# Altium PCB CHAHARDOLI-7 ADAD METAL.PcbDoc (part 4 of 11) (continued)
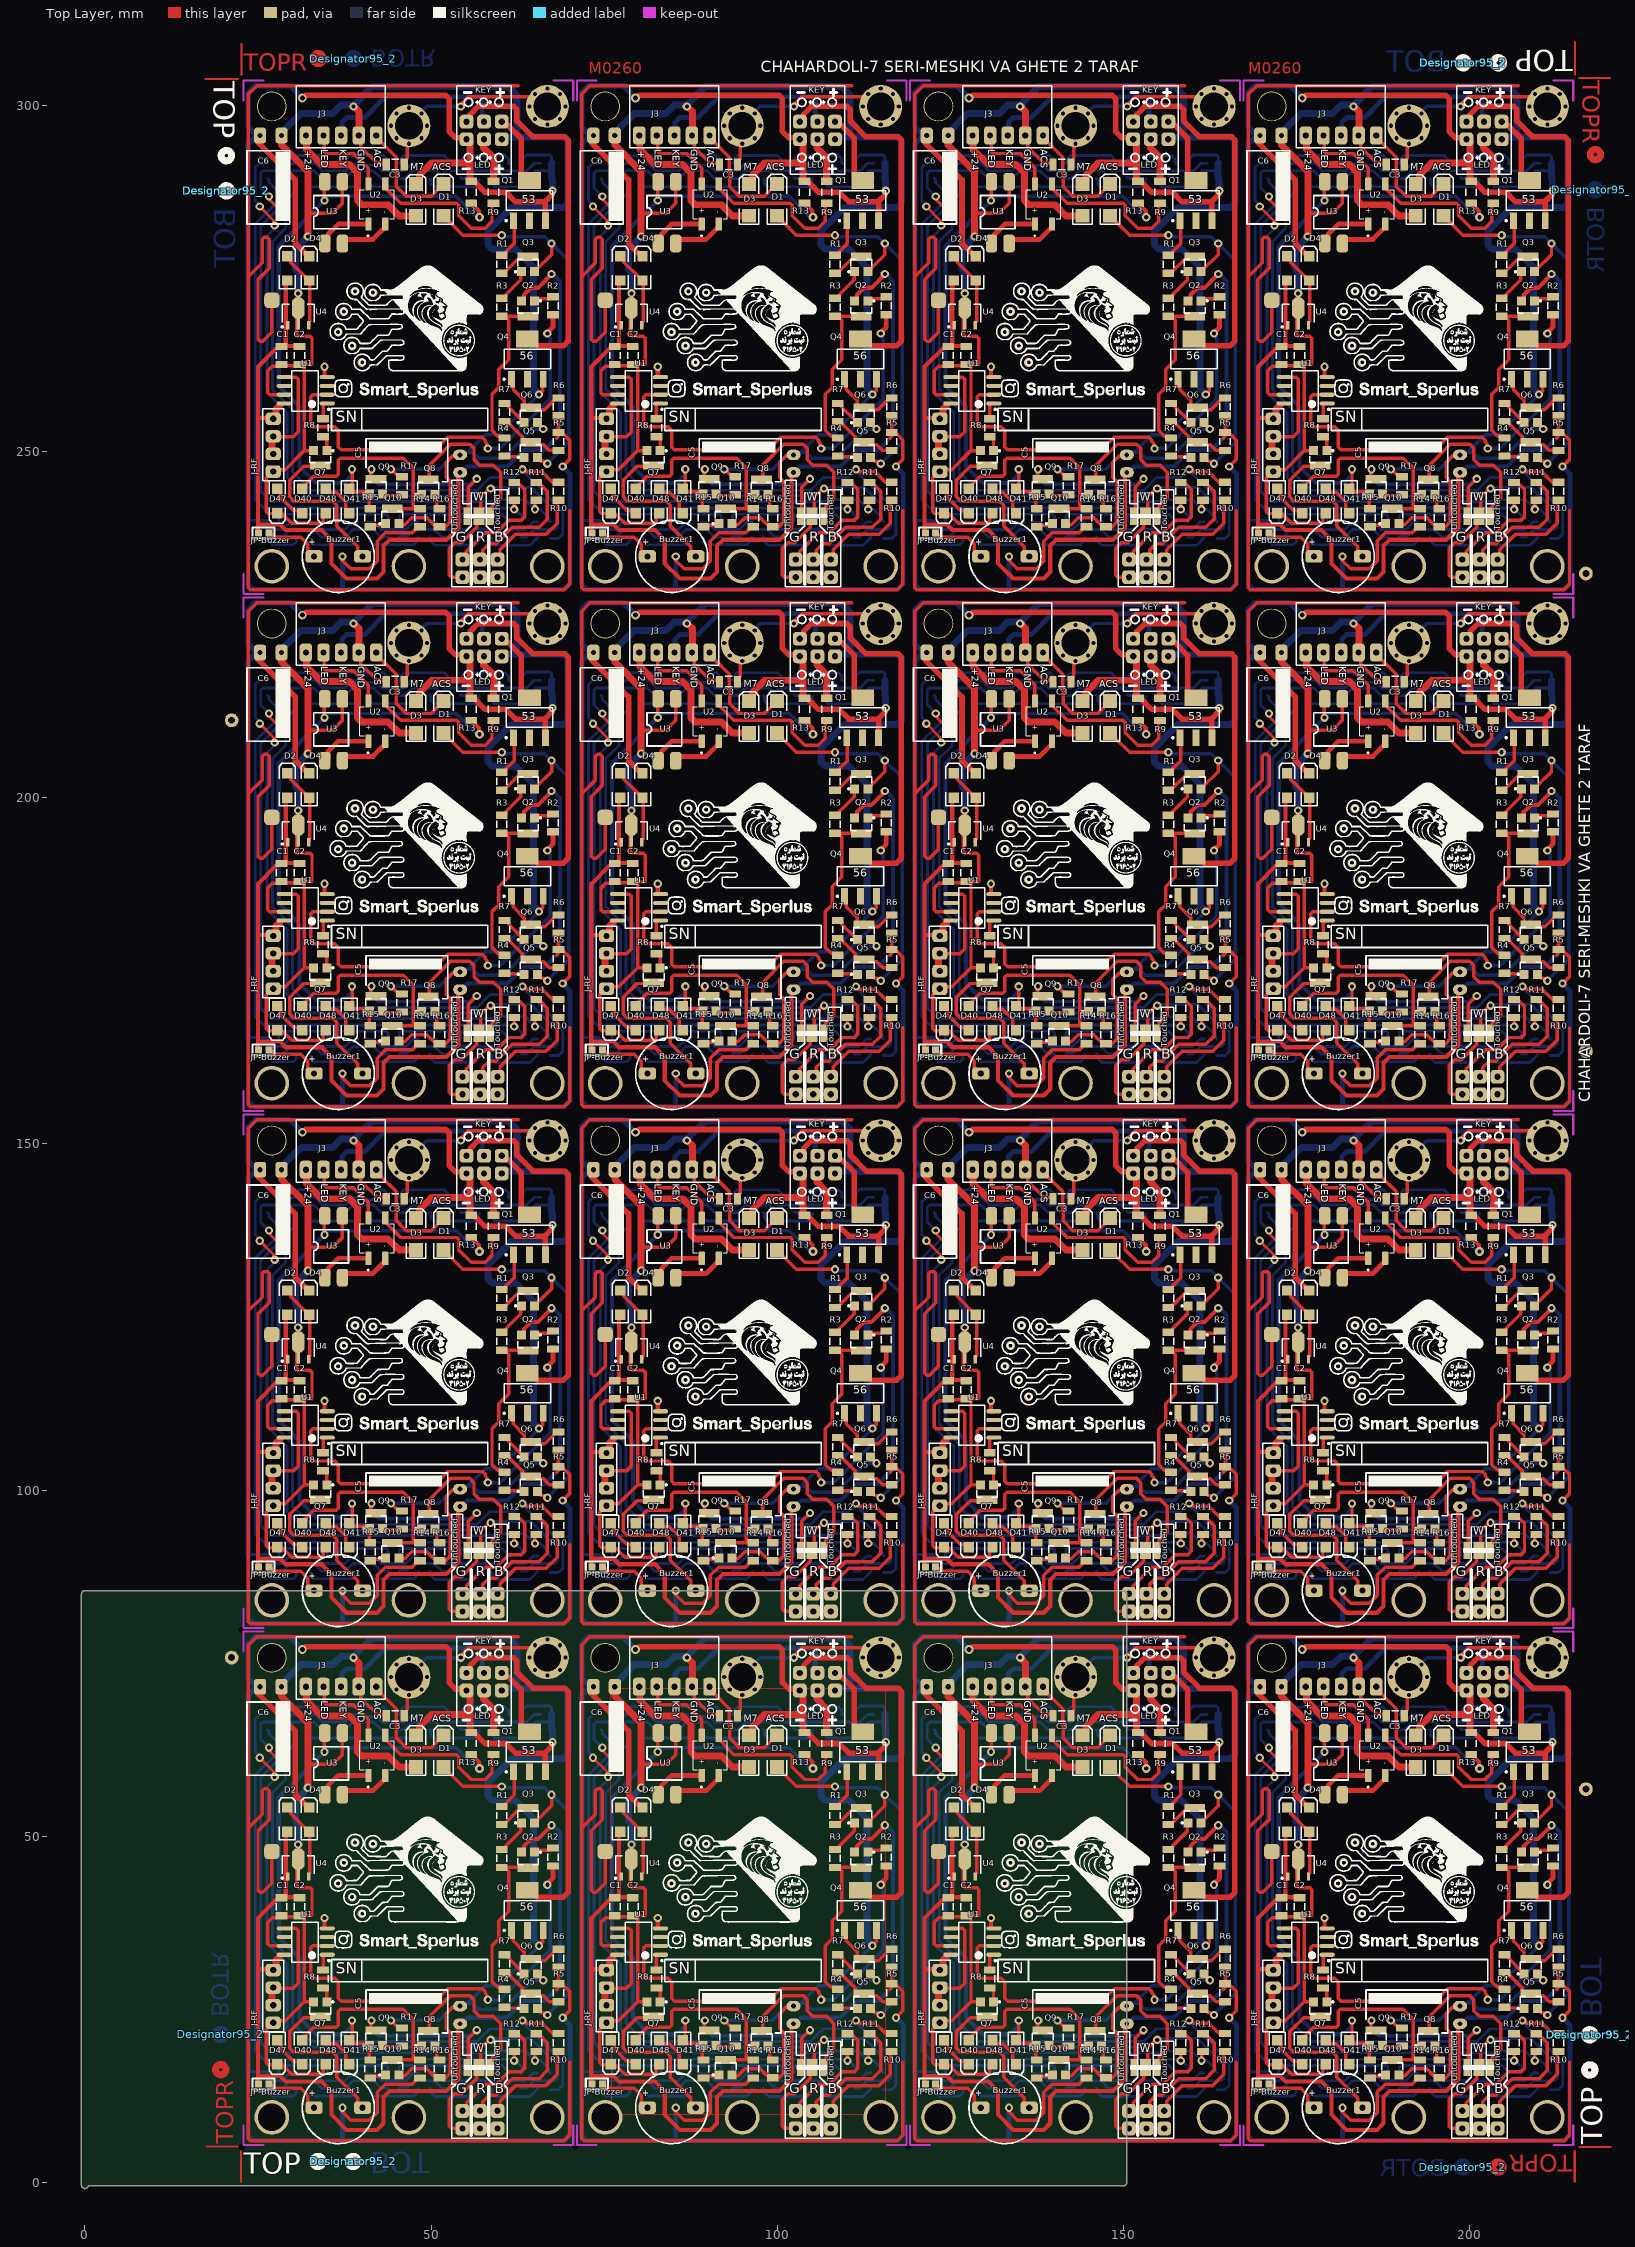
[diagram p0: Top Layer view]
## Nets (pads, with @x,y where several pads share a name; then routed paths per layer and width w, separated by ;. In a path a pad name is that pad's centre, name@x,y a point inside that pad or via, vN(x,y) a via of type N, cw(c..) or ccw(c..) an arc to the next point about the centre after c; other vN are vias at no path point) (continued)
J1.2@199.555,295.124 J1.3@57.66,148.288 J1.3@57.66,222.976 J1.3@57.66,297.664 J1.3@105.805,73.6 J1.3@105.805,148.288 J1.3@105.805,222.976 J1.3@105.805,297.664 J1.3@153.95,73.6 J1.3@153.95,148.288 J1.3@153.95,222.976 J1.3@153.95,297.664 J1.3@202.095,73.6 J1.3@202.095,148.288 J1.3@202.095,222.976 J1.3@202.095,297.664 J1.4@57.66,145.748 J1.4@57.66,220.436 J1.4@57.66,295.124 J1.4@105.805,71.06 J1.4@105.805,145.748 J1.4@105.805,220.436 J1.4@105.805,295.124 J1.4@153.95,71.06 J1.4@153.95,145.748 J1.4@153.95,220.436 J1.4@153.95,295.124 J1.4@202.095,71.06 J1.4@202.095,145.748 J1.4@202.095,220.436 J1.4@202.095,295.124 J1.5@60.2,148.288 J1.5@60.2,222.976 J1.5@60.2,297.664 J1.5@108.345,73.6 J1.5@108.345,148.288 J1.5@108.345,222.976 J1.5@108.345,297.664 J1.5@156.49,73.6 J1.5@156.49,148.288 J1.5@156.49,222.976 J1.5@156.49,297.664 J1.5@204.635,73.6 J1.5@204.635,148.288 J1.5@204.635,222.976 J1.5@204.635,297.664 J1.6@60.2,145.748 J1.6@60.2,220.436 J1.6@60.2,295.124 J1.6@108.345,71.06 J1.6@108.345,145.748 J1.6@108.345,220.436 J1.6@108.345,295.124 J1.6@156.49,71.06 J1.6@156.49,145.748 J1.6@156.49,220.436 J1.6@156.49,295.124 J1.6@204.635,71.06 J1.6@204.635,145.748 J1.6@204.635,220.436 J1.6@204.635,295.124 J3.1@31.92,146.288 J3.1@31.92,220.976 J3.1@31.92,295.664 J3.1@80.065,71.6 J3.1@80.065,146.288 J3.1@80.065,220.976 J3.1@80.065,295.664 J3.1@128.21,71.6 J3.1@128.21,146.288 J3.1@128.21,220.976 J3.1@128.21,295.664 J3.1@176.355,71.6 J3.1@176.355,146.288 J3.1@176.355,220.976 J3.1@176.355,295.664 J3.2@34.46,146.288 J3.2@34.46,220.976 J3.2@34.46,295.664 J3.2@82.605,71.6 J3.2@82.605,146.288 J3.2@82.605,220.976 J3.2@82.605,295.664 J3.2@130.75,71.6 J3.2@130.75,146.288 J3.2@130.75,220.976 J3.2@130.75,295.664 J3.2@178.895,71.6 J3.2@178.895,146.288 J3.2@178.895,220.976 J3.2@178.895,295.664 J3.3@37,146.288 J3.3@37,220.976 J3.3@37,295.664 J3.3@85.145,71.6 J3.3@85.145,146.288 J3.3@85.145,220.976 J3.3@85.145,295.664 J3.3@133.29,71.6 J3.3@133.29,146.288 J3.3@133.29,220.976 J3.3@133.29,295.664 J3.3@181.435,71.6 J3.3@181.435,146.288 J3.3@181.435,220.976 J3.3@181.435,295.664 J3.4@39.54,146.288 J3.4@39.54,220.976 J3.4@39.54,295.664 J3.4@87.685,71.6 J3.4@87.685,146.288 J3.4@87.685,220.976 J3.4@87.685,295.664 J3.4@135.83,71.6 J3.4@135.83,146.288 J3.4@135.83,220.976 J3.4@135.83,295.664 J3.4@183.975,71.6 J3.4@183.975,146.288 J3.4@183.975,220.976 J3.4@183.975,295.664 J3.5@42.08,146.288 J3.5@42.08,220.976 J3.5@42.08,295.664 J3.5@90.225,71.6 J3.5@90.225,146.288 J3.5@90.225,220.976 J3.5@90.225,295.664 J3.5@138.37,71.6 J3.5@138.37,146.288 J3.5@138.37,220.976 J3.5@138.37,295.664 J3.5@186.515,71.6 J3.5@186.515,146.288 J3.5@186.515,220.976 J3.5@186.515,295.664 J4.1@59.6,82.488 J4.1@59.6,157.176 J4.1@59.6,231.864 J4.1@107.745,7.8 J4.1@107.745,82.488 J4.1@107.745,157.176 J4.1@107.745,231.864 J4.1@155.89,7.8 J4.1@155.89,82.488 J4.1@155.89,157.176 J4.1@155.89,231.864 J4.1@204.035,7.8 J4.1@204.035,82.488 J4.1@204.035,157.176 J4.1@204.035,231.864 J4.2@59.6,85.028 J4.2@59.6,159.716 J4.2@59.6,234.404 J4.2@107.745,10.34 J4.2@107.745,85.028 J4.2@107.745,159.716 J4.2@107.745,234.404 J4.2@155.89,10.34 J4.2@155.89,85.028 J4.2@155.89,159.716 J4.2@155.89,234.404 J4.2@204.035,10.34 J4.2@204.035,85.028 J4.2@204.035,159.716 J4.2@204.035,234.404 J4.3@57.06,82.488 J4.3@57.06,157.176 J4.3@57.06,231.864 J4.3@105.205,7.8 J4.3@105.205,82.488 J4.3@105.205,157.176 J4.3@105.205,231.864 J4.3@153.35,7.8 J4.3@153.35,82.488 J4.3@153.35,157.176 J4.3@153.35,231.864 J4.3@201.495,7.8 J4.3@201.495,82.488 J4.3@201.495,157.176 J4.3@201.495,231.864 J4.4@57.06,85.028 J4.4@57.06,159.716 J4.4@57.06,234.404 J4.4@105.205,10.34 J4.4@105.205,85.028 J4.4@105.205,159.716 J4.4@105.205,234.404 J4.4@153.35,10.34 J4.4@153.35,85.028 J4.4@153.35,159.716 J4.4@153.35,234.404 J4.4@201.495,10.34 J4.4@201.495,85.028 J4.4@201.495,159.716 J4.4@201.495,234.404 J4.5@54.52,82.488 J4.5@54.52,157.176 J4.5@54.52,231.864 J4.5@102.665,7.8 J4.5@102.665,82.488 J4.5@102.665,157.176 J4.5@102.665,231.864 J4.5@150.81,7.8 J4.5@150.81,82.488 J4.5@150.81,157.176 J4.5@150.81,231.864 J4.5@198.955,7.8 J4.5@198.955,82.488 J4.5@198.955,157.176 J4.5@198.955,231.864 J4.6@54.52,85.028 J4.6@54.52,159.716 J4.6@54.52,234.404 J4.6@102.665,10.34 J4.6@102.665,85.028 J4.6@102.665,159.716 J4.6@102.665,234.404 J4.6@150.81,10.34 J4.6@150.81,85.028 J4.6@150.81,159.716 J4.6@150.81,234.404 J4.6@198.955,10.34 J4.6@198.955,85.028 J4.6@198.955,159.716 J4.6@198.955,234.404 J-RF.1@27.2,105.368 J-RF.1@27.2,180.056 J-RF.1@27.2,254.744 J-RF.1@75.345,30.68 J-RF.1@75.345,105.368 J-RF.1@75.345,180.056 J-RF.1@75.345,254.744 J-RF.1@123.49,30.68 J-RF.1@123.49,105.368 J-RF.1@123.49,180.056 J-RF.1@123.49,254.744 J-RF.1@171.635,30.68 J-RF.1@171.635,105.368 J-RF.1@171.635,180.056 J-RF.1@171.635,254.744 J-RF.2@27.2,102.828 J-RF.2@27.2,177.516 J-RF.2@27.2,252.204 J-RF.2@75.345,28.14 J-RF.2@75.345,102.828 J-RF.2@75.345,177.516 J-RF.2@75.345,252.204 J-RF.2@123.49,28.14 J-RF.2@123.49,102.828 J-RF.2@123.49,177.516 J-RF.2@123.49,252.204 J-RF.2@171.635,28.14 J-RF.2@171.635,102.828 J-RF.2@171.635,177.516 J-RF.2@171.635,252.204 J-RF.3@27.2,100.288 J-RF.3@27.2,174.976 J-RF.3@27.2,249.664 J-RF.3@75.345,25.6 J-RF.3@75.345,100.288 J-RF.3@75.345,174.976 J-RF.3@75.345,249.664 J-RF.3@123.49,25.6 J-RF.3@123.49,100.288 J-RF.3@123.49,174.976 J-RF.3@123.49,249.664 J-RF.3@171.635,25.6 J-RF.3@171.635,100.288 J-RF.3@171.635,174.976 J-RF.3@171.635,249.664 J-RF.4@27.2,97.748 J-RF.4@27.2,172.436 J-RF.4@27.2,247.124 J-RF.4@75.345,23.06 J-RF.4@75.345,97.748 J-RF.4@75.345,172.436 J-RF.4@75.345,247.124 J-RF.4@123.49,23.06 J-RF.4@123.49,97.748 J-RF.4@123.49,172.436 J-RF.4@123.49,247.124 J-RF.4@171.635,23.06 J-RF.4@171.635,97.748 J-RF.4@171.635,172.436 J-RF.4@171.635,247.124 JP2.1@56.9,90.488 JP2.1@56.9,165.176 JP2.1@56.9,239.864 JP2.1@105.045,15.8 JP2.1@105.045,90.488 JP2.1@105.045,165.176 JP2.1@105.045,239.864 JP2.1@153.19,15.8 JP2.1@153.19,90.488 JP2.1@153.19,165.176 JP2.1@153.19,239.864 JP2.1@201.335,15.8 JP2.1@201.335,90.488 JP2.1@201.335,165.176 JP2.1@201.335,239.864 JP2.2@58.6,90.488 JP2.2@58.6,165.176 JP2.2@58.6,239.864 JP2.2@106.745,15.8 JP2.2@106.745,90.488 JP2.2@106.745,165.176 JP2.2@106.745,239.864 JP2.2@154.89,15.8 JP2.2@154.89,90.488 JP2.2@154.89,165.176 JP2.2@154.89,239.864 JP2.2@203.035,15.8 JP2.2@203.035,90.488 JP2.2@203.035,165.176 JP2.2@203.035,239.864 JP2.3@55.2,90.488 JP2.3@55.2,165.176 JP2.3@55.2,239.864 JP2.3@103.345,15.8 JP2.3@103.345,90.488 JP2.3@103.345,165.176 JP2.3@103.345,239.864 JP2.3@151.49,15.8 JP2.3@151.49,90.488 JP2.3@151.49,165.176 JP2.3@151.49,239.864 JP2.3@199.635,15.8 JP2.3@199.635,90.488 JP2.3@199.635,165.176 JP2.3@199.635,239.864 JP3.1@56.9,92.088 JP3.1@56.9,166.776 JP3.1@56.9,241.464 JP3.1@105.045,17.4 JP3.1@105.045,92.088 JP3.1@105.045,166.776 JP3.1@105.045,241.464 JP3.1@153.19,17.4 JP3.1@153.19,92.088 JP3.1@153.19,166.776 JP3.1@153.19,241.464 JP3.1@201.335,17.4 JP3.1@201.335,92.088 JP3.1@201.335,166.776 JP3.1@201.335,241.464 JP3.2@58.6,92.088 JP3.2@58.6,166.776 JP3.2@58.6,241.464 JP3.2@106.745,17.4 JP3.2@106.745,92.088 JP3.2@106.745,166.776 JP3.2@106.745,241.464 JP3.2@154.89,17.4 JP3.2@154.89,92.088 JP3.2@154.89,166.776 JP3.2@154.89,241.464 JP3.2@203.035,17.4 JP3.2@203.035,92.088 JP3.2@203.035,166.776 JP3.2@203.035,241.464 JP3.3@55.2,92.088 JP3.3@55.2,166.776 JP3.3@55.2,241.464 JP3.3@103.345,17.4 JP3.3@103.345,92.088 JP3.3@103.345,166.776 JP3.3@103.345,241.464 JP3.3@151.49,17.4 JP3.3@151.49,92.088 JP3.3@151.49,166.776 JP3.3@151.49,241.464 JP3.3@199.635,17.4 JP3.3@199.635,92.088 JP3.3@199.635,166.776 JP3.3@199.635,241.464 JP-Buzzer.1@26.6,88.888 JP-Buzzer.1@26.6,163.576 JP-Buzzer.1@26.6,238.264 JP-Buzzer.1@74.745,14.2 JP-Buzzer.1@74.745,88.888 JP-Buzzer.1@74.745,163.576 JP-Buzzer.1@74.745,238.264 JP-Buzzer.1@122.89,14.2 JP-Buzzer.1@122.89,88.888 JP-Buzzer.1@122.89,163.576 JP-Buzzer.1@122.89,238.264 JP-Buzzer.1@171.035,14.2 JP-Buzzer.1@171.035,88.888 JP-Buzzer.1@171.035,163.576 JP-Buzzer.1@171.035,238.264 JP-Buzzer.2@25.1,88.888 JP-Buzzer.2@25.1,163.576 JP-Buzzer.2@25.1,238.264 JP-Buzzer.2@73.245,14.2 JP-Buzzer.2@73.245,88.888 JP-Buzzer.2@73.245,163.576 JP-Buzzer.2@73.245,238.264 JP-Buzzer.2@121.39,14.2 JP-Buzzer.2@121.39,88.888 JP-Buzzer.2@121.39,163.576 JP-Buzzer.2@121.39,238.264 JP-Buzzer.2@169.535,14.2 JP-Buzzer.2@169.535,88.888 JP-Buzzer.2@169.535,163.576 JP-Buzzer.2@169.535,238.264 Q1.1@61.9,133.988 Q1.1@61.9,208.676 Q1.1@61.9,283.364 Q1.1@110.045,59.3 Q1.1@110.045,133.988 Q1.1@110.045,208.676 Q1.1@110.045,283.364 Q1.1@158.19,59.3 Q1.1@158.19,133.988 Q1.1@158.19,208.676 Q1.1@158.19,283.364 Q1.1@206.335,59.3 Q1.1@206.335,133.988 Q1.1@206.335,208.676 Q1.1@206.335,283.364 Q1.2 Q1.3@66.5,133.988 Q1.3@66.5,208.676 Q1.3@66.5,283.364 Q1.3@114.645,59.3 Q1.3@114.645,133.988 Q1.3@114.645,208.676 Q1.3@114.645,283.364 Q1.3@162.79,59.3 Q1.3@162.79,133.988 Q1.3@162.79,208.676 Q1.3@162.79,283.364 Q1.3@210.935,59.3 Q1.3@210.935,133.988 Q1.3@210.935,208.676 Q1.3@210.935,283.364 Q1.4@64.2,139.788 Q1.4@64.2,214.476 Q1.4@64.2,289.164 Q1.4@112.345,65.1 Q1.4@112.345,139.788 Q1.4@112.345,214.476 Q1.4@112.345,289.164 Q1.4@160.49,65.1 Q1.4@160.49,139.788 Q1.4@160.49,214.476 Q1.4@160.49,289.164 Q1.4@208.635,65.1 Q1.4@208.635,139.788 Q1.4@208.635,214.476 Q1.4@208.635,289.164 Q2.1@64.95,122.413 Q2.1@64.95,197.101 Q2.1@64.95,271.789 Q2.1@113.095,47.725 Q2.1@113.095,122.413 Q2.1@113.095,197.101 Q2.1@113.095,271.789 Q2.1@161.24,47.725 Q2.1@161.24,122.413 Q2.1@161.24,197.101 Q2.1@161.24,271.789 Q2.1@209.385,47.725 Q2.1@209.385,122.413 Q2.1@209.385,197.101 Q2.1@209.385,271.789 Q2.2@63.05,122.413 Q2.2@63.05,197.101 Q2.2@63.05,271.789 Q2.2@111.195,47.725 Q2.2@111.195,122.413 Q2.2@111.195,197.101 Q2.2@111.195,271.789 Q2.2@159.34,47.725 Q2.2@159.34,122.413 Q2.2@159.34,197.101 Q2.2@159.34,271.789 Q2.2@207.485,47.725 Q2.2@207.485,122.413 Q2.2@207.485,197.101 Q2.2@207.485,271.789 Q2.3@64,120.163 Q2.3@64,194.851 Q2.3@64,269.539 Q2.3@112.145,45.475 Q2.3@112.145,120.163 Q2.3@112.145,194.851 Q2.3@112.145,269.539 Q2.3@160.29,45.475 Q2.3@160.29,120.163 Q2.3@160.29,194.851 Q2.3@160.29,269.539 Q2.3@208.435,45.475 Q2.3@208.435,120.163 Q2.3@208.435,194.851 Q2.3@208.435,269.539 Q3.1@63.05,126.613 Q3.1@63.05,201.301 Q3.1@63.05,275.989 Q3.1@111.195,51.925 Q3.1@111.195,126.613 Q3.1@111.195,201.301 Q3.1@111.195,275.989 Q3.1@159.34,51.925 Q3.1@159.34,126.613 Q3.1@159.34,201.301 Q3.1@159.34,275.989 Q3.1@207.485,51.925 Q3.1@207.485,126.613 Q3.1@207.485,201.301 Q3.1@207.485,275.989 Q3.2@64.95,126.613 Q3.2@64.95,201.301 Q3.2@64.95,275.989 Q3.2@113.095,51.925 Q3.2@113.095,126.613 Q3.2@113.095,201.301 Q3.2@113.095,275.989 Q3.2@161.24,51.925 Q3.2@161.24,126.613 Q3.2@161.24,201.301 Q3.2@161.24,275.989 Q3.2@209.385,51.925 Q3.2@209.385,126.613 Q3.2@209.385,201.301 Q3.2@209.385,275.989 Q3.3@64,128.763 Q3.3@64,203.451 Q3.3@64,278.139 Q3.3@112.145,54.075 Q3.3@112.145,128.763 Q3.3@112.145,203.451 Q3.3@112.145,278.139 Q3.3@160.29,54.075 Q3.3@160.29,128.763 Q3.3@160.29,203.451 Q3.3@160.29,278.139 Q3.3@208.435,54.075 Q3.3@208.435,128.763 Q3.3@208.435,203.451 Q3.3@208.435,278.139 Q4.1@61.6,111.088 Q4.1@61.6,185.776 Q4.1@61.6,260.464 Q4.1@109.745,36.4 Q4.1@109.745,111.088 Q4.1@109.745,185.776 Q4.1@109.745,260.464 Q4.1@157.89,36.4 Q4.1@157.89,111.088 Q4.1@157.89,185.776 Q4.1@157.89,260.464 Q4.1@206.035,36.4 Q4.1@206.035,111.088 Q4.1@206.035,185.776 Q4.1@206.035,260.464 Q4.2 Q4.3@66.2,111.088 Q4.3@66.2,185.776 Q4.3@66.2,260.464 Q4.3@114.345,36.4 Q4.3@114.345,111.088 Q4.3@114.345,185.776 Q4.3@114.345,260.464 Q4.3@162.49,36.4 Q4.3@162.49,111.088 Q4.3@162.49,185.776 Q4.3@162.49,260.464 Q4.3@210.635,36.4 Q4.3@210.635,111.088 Q4.3@210.635,185.776 Q4.3@210.635,260.464 Q4.4@63.9,116.888 Q4.4@63.9,191.576 Q4.4@63.9,266.264 Q4.4@112.045,42.2 Q4.4@112.045,116.888 Q4.4@112.045,191.576 Q4.4@112.045,266.264 Q4.4@160.19,42.2 Q4.4@160.19,116.888 Q4.4@160.19,191.576 Q4.4@160.19,266.264 Q4.4@208.335,42.2 Q4.4@208.335,116.888 Q4.4@208.335,191.576 Q4.4@208.335,266.264 Q5.1@63.45,99.813 Q5.1@63.45,174.501 Q5.1@63.45,249.189 Q5.1@111.595,25.125 Q5.1@111.595,99.813 Q5.1@111.595,174.501 Q5.1@111.595,249.189 Q5.1@159.74,25.125 Q5.1@159.74,99.813 Q5.1@159.74,174.501 Q5.1@159.74,249.189 Q5.1@207.885,25.125 Q5.1@207.885,99.813 Q5.1@207.885,174.501 Q5.1@207.885,249.189 Q5.2@65.35,99.813 Q5.2@65.35,174.501 Q5.2@65.35,249.189 Q5.2@113.495,25.125 Q5.2@113.495,99.813 Q5.2@113.495,174.501 Q5.2@113.495,249.189 Q5.2@161.64,25.125 Q5.2@161.64,99.813 Q5.2@161.64,174.501 Q5.2@161.64,249.189 Q5.2@209.785,25.125 Q5.2@209.785,99.813 Q5.2@209.785,174.501 Q5.2@209.785,249.189 Q5.3@64.4,101.963 Q5.3@64.4,176.651 Q5.3@64.4,251.339 Q5.3@112.545,27.275 Q5.3@112.545,101.963 Q5.3@112.545,176.651 Q5.3@112.545,251.339 Q5.3@160.69,27.275 Q5.3@160.69,101.963 Q5.3@160.69,176.651 Q5.3@160.69,251.339 Q5.3@208.835,27.275 Q5.3@208.835,101.963 Q5.3@208.835,176.651 Q5.3@208.835,251.339 Q6.1@63.45,104.813 Q6.1@63.45,179.501 Q6.1@63.45,254.189 Q6.1@111.595,30.125 Q6.1@111.595,104.813 Q6.1@111.595,179.501 Q6.1@111.595,254.189 Q6.1@159.74,30.125 Q6.1@159.74,104.813 Q6.1@159.74,179.501 Q6.1@159.74,254.189 Q6.1@207.885,30.125 Q6.1@207.885,104.813 Q6.1@207.885,179.501 Q6.1@207.885,254.189 Q6.2@65.35,104.813 Q6.2@65.35,179.501 Q6.2@65.35,254.189 Q6.2@113.495,30.125 Q6.2@113.495,104.813 Q6.2@113.495,179.501 Q6.2@113.495,254.189 Q6.2@161.64,30.125 Q6.2@161.64,104.813 Q6.2@161.64,179.501 Q6.2@161.64,254.189 Q6.2@209.785,30.125 Q6.2@209.785,104.813 Q6.2@209.785,179.501 Q6.2@209.785,254.189 Q6.3@64.4,106.963 Q6.3@64.4,181.651 Q6.3@64.4,256.339 Q6.3@112.545,32.275 Q6.3@112.545,106.963 Q6.3@112.545,181.651 Q6.3@112.545,256.339 Q6.3@160.69,32.275 Q6.3@160.69,106.963 Q6.3@160.69,181.651 Q6.3@160.69,256.339 Q6.3@208.835,32.275 Q6.3@208.835,106.963 Q6.3@208.835,181.651 Q6.3@208.835,256.339 Q7.1@34.95,100.763 Q7.1@34.95,175.451 Q7.1@34.95,250.139 Q7.1@83.095,26.075 Q7.1@83.095,100.763 Q7.1@83.095,175.451 Q7.1@83.095,250.139 Q7.1@131.24,26.075 Q7.1@131.24,100.763 Q7.1@131.24,175.451 Q7.1@131.24,250.139 Q7.1@179.385,26.075 Q7.1@179.385,100.763 Q7.1@179.385,175.451 Q7.1@179.385,250.139 Q7.2@33.05,100.763 Q7.2@33.05,175.451 Q7.2@33.05,250.139 Q7.2@81.195,26.075 Q7.2@81.195,100.763 Q7.2@81.195,175.451 Q7.2@81.195,250.139 Q7.2@129.34,26.075 Q7.2@129.34,100.763 Q7.2@129.34,175.451 Q7.2@129.34,250.139 Q7.2@177.485,26.075 Q7.2@177.485,100.763 Q7.2@177.485,175.451 Q7.2@177.485,250.139 Q7.3@34,98.613 Q7.3@34,173.301 Q7.3@34,247.989 Q7.3@82.145,23.925 Q7.3@82.145,98.613 Q7.3@82.145,173.301 Q7.3@82.145,247.989 Q7.3@130.29,23.925 Q7.3@130.29,98.613 Q7.3@130.29,173.301 Q7.3@130.29,247.989 Q7.3@178.435,23.925 Q7.3@178.435,98.613 Q7.3@178.435,173.301 Q7.3@178.435,247.989 Q8.1@48.65,94.413 Q8.1@48.65,169.101 Q8.1@48.65,243.789 Q8.1@96.795,19.725 Q8.1@96.795,94.413 Q8.1@96.795,169.101 Q8.1@96.795,243.789 Q8.1@144.94,19.725 Q8.1@144.94,94.413 Q8.1@144.94,169.101 Q8.1@144.94,243.789 Q8.1@193.085,19.725 Q8.1@193.085,94.413 Q8.1@193.085,169.101 Q8.1@193.085,243.789 Q8.2@50.55,94.413 Q8.2@50.55,169.101 Q8.2@50.55,243.789 Q8.2@98.695,19.725 Q8.2@98.695,94.413 Q8.2@98.695,169.101 Q8.2@98.695,243.789 Q8.2@146.84,19.725 Q8.2@146.84,94.413 Q8.2@146.84,169.101 Q8.2@146.84,243.789 Q8.2@194.985,19.725 Q8.2@194.985,94.413 Q8.2@194.985,169.101 Q8.2@194.985,243.789 Q8.3@49.6,96.563 Q8.3@49.6,171.251 Q8.3@49.6,245.939 Q8.3@97.745,21.875 Q8.3@97.745,96.563 Q8.3@97.745,171.251 Q8.3@97.745,245.939 Q8.3@145.89,21.875 Q8.3@145.89,96.563 Q8.3@145.89,171.251 Q8.3@145.89,245.939 Q8.3@194.035,21.875 Q8.3@194.035,96.563 Q8.3@194.035,171.251 Q8.3@194.035,245.939 Q9.1@41.1,94.488 Q9.1@41.1,169.176 Q9.1@41.1,243.864 Q9.1@89.245,19.8 Q9.1@89.245,94.488 Q9.1@89.245,169.176 Q9.1@89.245,243.864 Q9.1@137.39,19.8 Q9.1@137.39,94.488 Q9.1@137.39,169.176 Q9.1@137.39,243.864 Q9.1@185.535,19.8 Q9.1@185.535,94.488 Q9.1@185.535,169.176 Q9.1@185.535,243.864 Q9.2@43,94.488 Q9.2@43,169.176 Q9.2@43,243.864 Q9.2@91.145,19.8 Q9.2@91.145,94.488 Q9.2@91.145,169.176 Q9.2@91.145,243.864 Q9.2@139.29,19.8 Q9.2@139.29,94.488 Q9.2@139.29,169.176 Q9.2@139.29,243.864 Q9.2@187.435,19.8 Q9.2@187.435,94.488 Q9.2@187.435,169.176 Q9.2@187.435,243.864 Q9.3@42.05,96.638 Q9.3@42.05,171.326 Q9.3@42.05,246.014 Q9.3@90.195,21.95 Q9.3@90.195,96.638 Q9.3@90.195,171.326 Q9.3@90.195,246.014 Q9.3@138.34,21.95 Q9.3@138.34,96.638 Q9.3@138.34,171.326 Q9.3@138.34,246.014 Q9.3@186.485,21.95 Q9.3@186.485,96.638 Q9.3@186.485,171.326 Q9.3@186.485,246.014 Q10.1@43.45,90.213 Q10.1@43.45,164.901 Q10.1@43.45,239.589 Q10.1@91.595,15.525 Q10.1@91.595,90.213 Q10.1@91.595,164.901 Q10.1@91.595,239.589 Q10.1@139.74,15.525 Q10.1@139.74,90.213 Q10.1@139.74,164.901 Q10.1@139.74,239.589 Q10.1@187.885,15.525 Q10.1@187.885,90.213 Q10.1@187.885,164.901 Q10.1@187.885,239.589 Q10.2@45.35,90.213 Q10.2@45.35,164.901 Q10.2@45.35,239.589 Q10.2@93.495,15.525 Q10.2@93.495,90.213 Q10.2@93.495,164.901 Q10.2@93.495,239.589 Q10.2@141.64,15.525 Q10.2@141.64,90.213 Q10.2@141.64,164.901 Q10.2@141.64,239.589 Q10.2@189.785,15.525 Q10.2@189.785,90.213 Q10.2@189.785,164.901 Q10.2@189.785,239.589 Q10.3@44.4,92.363 Q10.3@44.4,167.051 Q10.3@44.4,241.739 Q10.3@92.545,17.675 Q10.3@92.545,92.363 Q10.3@92.545,167.051 Q10.3@92.545,241.739 Q10.3@140.69,17.675 Q10.3@140.69,92.363 Q10.3@140.69,167.051 Q10.3@140.69,241.739 Q10.3@188.835,17.675 Q10.3@188.835,92.363 Q10.3@188.835,167.051 Q10.3@188.835,241.739 R1.1@60.2,126.393 R1.1@60.2,201.081 R1.1@60.2,275.769 R1.1@108.345,51.705 R1.1@108.345,126.393 R1.1@108.345,201.081 R1.1@108.345,275.769 R1.1@156.49,51.705 R1.1@156.49,126.393 R1.1@156.49,201.081 R1.1@156.49,275.769 R1.1@204.635,51.705 R1.1@204.635,126.393 R1.1@204.635,201.081 R1.1@204.635,275.769 R1.2@60.2,128.989 R1.2@60.2,203.677 R1.2@60.2,278.365 R1.2@108.345,54.301 R1.2@108.345,128.989 R1.2@108.345,203.677 R1.2@108.345,278.365 R1.2@156.49,54.301 R1.2@156.49,128.989 R1.2@156.49,203.677 R1.2@156.49,278.365 R1.2@204.635,54.301 R1.2@204.635,128.989 R1.2@204.635,203.677 R1.2@204.635,278.365 R2.1@67.6,120.393 R2.1@67.6,195.081 R2.1@67.6,269.769 R2.1@115.745,45.705 R2.1@115.745,120.393 R2.1@115.745,195.081 R2.1@115.745,269.769 R2.1@163.89,45.705 R2.1@163.89,120.393 R2.1@163.89,195.081 R2.1@163.89,269.769 R2.1@212.035,45.705 R2.1@212.035,120.393 R2.1@212.035,195.081 R2.1@212.035,269.769 R2.2@67.6,122.989 R2.2@67.6,197.677 R2.2@67.6,272.365 R2.2@115.745,48.301 R2.2@115.745,122.989 R2.2@115.745,197.677 R2.2@115.745,272.365 R2.2@163.89,48.301 R2.2@163.89,122.989 R2.2@163.89,197.677 R2.2@163.89,272.365 R2.2@212.035,48.301 R2.2@212.035,122.989 R2.2@212.035,197.677 R2.2@212.035,272.365 R3.1@60.2,120.193 R3.1@60.2,194.881 R3.1@60.2,269.569 R3.1@108.345,45.505 R3.1@108.345,120.193 R3.1@108.345,194.881 R3.1@108.345,269.569 R3.1@156.49,45.505 R3.1@156.49,120.193 R3.1@156.49,194.881 R3.1@156.49,269.569 R3.1@204.635,45.505 R3.1@204.635,120.193 R3.1@204.635,194.881 R3.1@204.635,269.569 R3.2@60.2,122.789 R3.2@60.2,197.477 R3.2@60.2,272.165 R3.2@108.345,48.101 R3.2@108.345,122.789 R3.2@108.345,197.477 R3.2@108.345,272.165 R3.2@156.49,48.101 R3.2@156.49,122.789 R3.2@156.49,197.477 R3.2@156.49,272.165 R3.2@204.635,48.101 R3.2@204.635,122.789 R3.2@204.635,197.477 R3.2@204.635,272.165 R4.1@60.6,102.584 R4.1@60.6,177.272 R4.1@60.6,251.96 R4.1@108.745,27.895 R4.1@108.745,102.584 R4.1@108.745,177.272 R4.1@108.745,251.96 R4.1@156.89,27.895 R4.1@156.89,102.584 R4.1@156.89,177.272 R4.1@156.89,251.96 R4.1@205.035,27.895 R4.1@205.035,102.584 R4.1@205.035,177.272 R4.1@205.035,251.96 R4.2@60.6,99.988 R4.2@60.6,174.676 R4.2@60.6,249.364 R4.2@108.745,25.299 R4.2@108.745,99.988 R4.2@108.745,174.676 R4.2@108.745,249.364 R4.2@156.89,25.299 R4.2@156.89,99.988 R4.2@156.89,174.676 R4.2@156.89,249.364 R4.2@205.035,25.299 R4.2@205.035,99.988 R4.2@205.035,174.676 R4.2@205.035,249.364 R5.1@68.4,100.793 R5.1@68.4,175.481 R5.1@68.4,250.169 R5.1@116.545,26.105 R5.1@116.545,100.793 R5.1@116.545,175.481 R5.1@116.545,250.169 R5.1@164.69,26.105 R5.1@164.69,100.793 R5.1@164.69,175.481 R5.1@164.69,250.169 R5.1@212.835,26.105 R5.1@212.835,100.793 R5.1@212.835,175.481 R5.1@212.835,250.169 R5.2@68.4,103.389 R5.2@68.4,178.077 R5.2@68.4,252.765 R5.2@116.545,28.701 R5.2@116.545,103.389 R5.2@116.545,178.077 R5.2@116.545,252.765 R5.2@164.69,28.701 R5.2@164.69,103.389 R5.2@164.69,178.077 R5.2@164.69,252.765 R5.2@212.835,28.701 R5.2@212.835,103.389 R5.2@212.835,178.077 R5.2@212.835,252.765 R6.1@68.4,105.793 R6.1@68.4,180.481 R6.1@68.4,255.169 R6.1@116.545,31.105 R6.1@116.545,105.793 R6.1@116.545,180.481 R6.1@116.545,255.169 R6.1@164.69,31.105 R6.1@164.69,105.793 R6.1@164.69,180.481 R6.1@164.69,255.169 R6.1@212.835,31.105 R6.1@212.835,105.793 R6.1@212.835,180.481 R6.1@212.835,255.169 R6.2@68.4,108.389 R6.2@68.4,183.077 R6.2@68.4,257.765 R6.2@116.545,33.701 R6.2@116.545,108.389 R6.2@116.545,183.077 R6.2@116.545,257.765 R6.2@164.69,33.701 R6.2@164.69,108.389 R6.2@164.69,183.077 R6.2@164.69,257.765 R6.2@212.835,33.701 R6.2@212.835,108.389 R6.2@212.835,183.077 R6.2@212.835,257.765 R7.1@60.6,104.993 R7.1@60.6,179.681 R7.1@60.6,254.369 R7.1@108.745,30.305 R7.1@108.745,104.993 R7.1@108.745,179.681 R7.1@108.745,254.369 R7.1@156.89,30.305 R7.1@156.89,104.993 R7.1@156.89,179.681 R7.1@156.89,254.369 R7.1@205.035,30.305 R7.1@205.035,104.993 R7.1@205.035,179.681 R7.1@205.035,254.369 R7.2@60.6,107.589 R7.2@60.6,182.277 R7.2@60.6,256.965 R7.2@108.745,32.901 R7.2@108.745,107.589 R7.2@108.745,182.277 R7.2@108.745,256.965 R7.2@156.89,32.901 R7.2@156.89,107.589 R7.2@156.89,182.277 R7.2@156.89,256.965 R7.2@205.035,32.901 R7.2@205.035,107.589 R7.2@205.035,182.277 R7.2@205.035,256.965 R8.1@34.4,105.384 R8.1@34.4,180.072 R8.1@34.4,254.76 R8.1@82.545,30.695 R8.1@82.545,105.384 R8.1@82.545,180.072 R8.1@82.545,254.76 R8.1@130.69,30.695 R8.1@130.69,105.384 R8.1@130.69,180.072 R8.1@130.69,254.76 R8.1@178.835,30.695 R8.1@178.835,105.384 R8.1@178.835,180.072 R8.1@178.835,254.76 R8.2@34.4,102.788 R8.2@34.4,177.476 R8.2@34.4,252.164 R8.2@82.545,28.099 R8.2@82.545,102.788 R8.2@82.545,177.476 R8.2@82.545,252.164 R8.2@130.69,28.099 R8.2@130.69,102.788 R8.2@130.69,177.476 R8.2@130.69,252.164 R8.2@178.835,28.099 R8.2@178.835,102.788 R8.2@178.835,177.476 R8.2@178.835,252.164 R9.1@59,139.688 R9.1@59,214.376 R9.1@59,289.064 R9.1@107.145,65 R9.1@107.145,139.688 R9.1@107.145,214.376 R9.1@107.145,289.064 R9.1@155.29,65 R9.1@155.29,139.688 R9.1@155.29,214.376 R9.1@155.29,289.064 R9.1@203.435,65 R9.1@203.435,139.688 R9.1@203.435,214.376 R9.1@203.435,289.064 R9.2@59,136.488 R9.2@59,211.176 R9.2@59,285.864 R9.2@107.145,61.8 R9.2@107.145,136.488 R9.2@107.145,211.176 R9.2@107.145,285.864 R9.2@155.29,61.8 R9.2@155.29,136.488 R9.2@155.29,211.176 R9.2@155.29,285.864 R9.2@203.435,61.8 R9.2@203.435,136.488 R9.2@203.435,211.176 R9.2@203.435,285.864 R10.1@68.4,93.593 R10.1@68.4,168.281 R10.1@68.4,242.969 R10.1@116.545,18.905 R10.1@116.545,93.593 R10.1@116.545,168.281 R10.1@116.545,242.969 R10.1@164.69,18.905 R10.1@164.69,93.593 R10.1@164.69,168.281 R10.1@164.69,242.969 R10.1@212.835,18.905 R10.1@212.835,93.593 R10.1@212.835,168.281 R10.1@212.835,242.969 R10.2@68.4,96.189 R10.2@68.4,170.877 R10.2@68.4,245.565 R10.2@116.545,21.501 R10.2@116.545,96.189 R10.2@116.545,170.877 R10.2@116.545,245.565 R10.2@164.69,21.501 R10.2@164.69,96.189 R10.2@164.69,170.877 R10.2@164.69,245.565 R10.2@212.835,21.501 R10.2@212.835,96.189 R10.2@212.835,170.877 R10.2@212.835,245.565 R11.1@65.2,96.184 R11.1@65.2,170.872 R11.1@65.2,245.56 R11.1@113.345,21.495 R11.1@113.345,96.184 R11.1@113.345,170.872 R11.1@113.345,245.56 R11.1@161.49,21.495 R11.1@161.49,96.184 R11.1@161.49,170.872 R11.1@161.49,245.56 R11.1@209.635,21.495 R11.1@209.635,96.184 R11.1@209.635,170.872 R11.1@209.635,245.56 R11.2@65.2,93.588 R11.2@65.2,168.276 R11.2@65.2,242.964 R11.2@113.345,18.899 R11.2@113.345,93.588 R11.2@113.345,168.276 R11.2@113.345,242.964 R11.2@161.49,18.899 R11.2@161.49,93.588 R11.2@161.49,168.276 R11.2@161.49,242.964 R11.2@209.635,18.899 R11.2@209.635,93.588 R11.2@209.635,168.276 R11.2@209.635,242.964 R12.1@62,96.184 R12.1@62,170.872 R12.1@62,245.56 R12.1@110.145,21.495 R12.1@110.145,96.184 R12.1@110.145,170.872 R12.1@110.145,245.56 R12.1@158.29,21.495 R12.1@158.29,96.184 R12.1@158.29,170.872 R12.1@158.29,245.56 R12.1@206.435,21.495 R12.1@206.435,96.184 R12.1@206.435,170.872 R12.1@206.435,245.56 R12.2@62,93.588 R12.2@62,168.276 R12.2@62,242.964 R12.2@110.145,18.899 R12.2@110.145,93.588 R12.2@110.145,168.276 R12.2@110.145,242.964 R12.2@158.29,18.899 R12.2@158.29,93.588 R12.2@158.29,168.276 R12.2@158.29,242.964 R12.2@206.435,18.899 R12.2@206.435,93.588 R12.2@206.435,168.276 R12.2@206.435,242.964 R13.1@55.8,136.488 R13.1@55.8,211.176 R13.1@55.8,285.864 R13.1@103.945,61.8 R13.1@103.945,136.488 R13.1@103.945,211.176 R13.1@103.945,285.864 R13.1@152.09,61.8 R13.1@152.09,136.488 R13.1@152.09,211.176 R13.1@152.09,285.864 R13.1@200.235,61.8 R13.1@200.235,136.488 R13.1@200.235,211.176 R13.1@200.235,285.864 R13.2@55.8,139.688 R13.2@55.8,214.376 R13.2@55.8,289.064 R13.2@103.945,65 R13.2@103.945,139.688 R13.2@103.945,214.376 R13.2@103.945,289.064 R13.2@152.09,65 R13.2@152.09,139.688 R13.2@152.09,214.376 R13.2@152.09,289.064 R13.2@200.235,65 R13.2@200.235,139.688 R13.2@200.235,214.376 R13.2@200.235,289.064 R14.1@48.4,92.384 R14.1@48.4,167.072 R14.1@48.4,241.76 R14.1@96.545,17.695 R14.1@96.545,92.384 R14.1@96.545,167.072 R14.1@96.545,241.76 R14.1@144.69,17.695 R14.1@144.69,92.384 R14.1@144.69,167.072 R14.1@144.69,241.76 R14.1@192.835,17.695 R14.1@192.835,92.384 R14.1@192.835,167.072 R14.1@192.835,241.76 R14.2@48.4,89.788 R14.2@48.4,164.476 R14.2@48.4,239.164 R14.2@96.545,15.099 R14.2@96.545,89.788 R14.2@96.545,164.476 R14.2@96.545,239.164 R14.2@144.69,15.099 R14.2@144.69,89.788 R14.2@144.69,164.476 R14.2@144.69,239.164 R14.2@192.835,15.099 R14.2@192.835,89.788 R14.2@192.835,164.476 R14.2@192.835,239.164 R15.1@41.2,92.384 R15.1@41.2,167.072 R15.1@41.2,241.76 R15.1@89.345,17.695 R15.1@89.345,92.384 R15.1@89.345,167.072 R15.1@89.345,241.76 R15.1@137.49,17.695 R15.1@137.49,92.384 R15.1@137.49,167.072 R15.1@137.49,241.76 R15.1@185.635,17.695 R15.1@185.635,92.384 R15.1@185.635,167.072 R15.1@185.635,241.76 R15.2@41.2,89.788 R15.2@41.2,164.476 R15.2@41.2,239.164 R15.2@89.345,15.099 R15.2@89.345,89.788 R15.2@89.345,164.476 R15.2@89.345,239.164 R15.2@137.49,15.099 R15.2@137.49,89.788 R15.2@137.49,164.476 R15.2@137.49,239.164 R15.2@185.635,15.099 R15.2@185.635,89.788 R15.2@185.635,164.476 R15.2@185.635,239.164 R16.1@51.2,89.793 R16.1@51.2,164.481 R16.1@51.2,239.169 R16.1@99.345,15.105 R16.1@99.345,89.793 R16.1@99.345,164.481 R16.1@99.345,239.169 R16.1@147.49,15.105 R16.1@147.49,89.793 R16.1@147.49,164.481 R16.1@147.49,239.169 R16.1@195.635,15.105 R16.1@195.635,89.793 R16.1@195.635,164.481 R16.1@195.635,239.169 R16.2@51.2,92.389 R16.2@51.2,167.077 R16.2@51.2,241.765 R16.2@99.345,17.701 R16.2@99.345,92.389 R16.2@99.345,167.077 R16.2@99.345,241.765 R16.2@147.49,17.701 R16.2@147.49,92.389 R16.2@147.49,167.077 R16.2@147.49,241.765 R16.2@195.635,17.701 R16.2@195.635,92.389 R16.2@195.635,167.077 R16.2@195.635,241.765 R17.1@45.8,96.984 R17.1@45.8,171.672 R17.1@45.8,246.36 R17.1@93.945,22.295 R17.1@93.945,96.984 R17.1@93.945,171.672 R17.1@93.945,246.36 R17.1@142.09,22.295 R17.1@142.09,96.984 R17.1@142.09,171.672 R17.1@142.09,246.36 R17.1@190.235,22.295 R17.1@190.235,96.984 R17.1@190.235,171.672 R17.1@190.235,246.36 R17.2@45.8,94.388 R17.2@45.8,169.076 R17.2@45.8,243.764 R17.2@93.945,19.699 R17.2@93.945,94.388 R17.2@93.945,169.076 R17.2@93.945,243.764 R17.2@142.09,19.699 R17.2@142.09,94.388 R17.2@142.09,169.076 R17.2@142.09,243.764 R17.2@190.235,19.699 R17.2@190.235,94.388 R17.2@190.235,169.076 R17.2@190.235,243.764 R.1@30.562,90.488 R.1@30.562,165.176 R.1@30.562,239.864 R.1@32.238,140.088 R.1@32.238,214.776 R.1@32.238,289.464 R.1@39.362,90.488 R.1@39.362,165.176 R.1@39.362,239.864 R.1@41.038,140.088 R.1@41.038,214.776 R.1@41.038,289.464 R.1@48.162,90.488 R.1@48.162,165.176 R.1@48.162,239.864 R.1@49.838,140.088 R.1@49.838,214.776 R.1@49.838,289.464 R.1@56.962,90.488 R.1@56.962,165.176 R.1@56.962,239.864 R.1@58.638,140.088 R.1@58.638,214.776 R.1@58.638,289.464 R.1@65.562,90.488 R.1@65.562,165.176 R.1@65.562,239.864 R.1@67.438,140.088 R.1@67.438,214.776 R.1@67.438,289.464 R.1@78.707,15.8